# Altium PCB BC2087.PcbDoc (part 6 of 6)
Units mil, origin at the board's own origin, x right, y up, seen from the top; angles counter-clockwise.
Board outline 7401.57 x 1181.1 mil, 6 copper layers (Top Copper, Signal Layer 1, Signal Layer 2, Signal Layer 3, Signal Layer 4, Bottom Copper), stack 62.874 mil thick; 302 components, 237 nets, 1184 pads, 867 vias.
Unrouted connection lines stored in the file: 315.
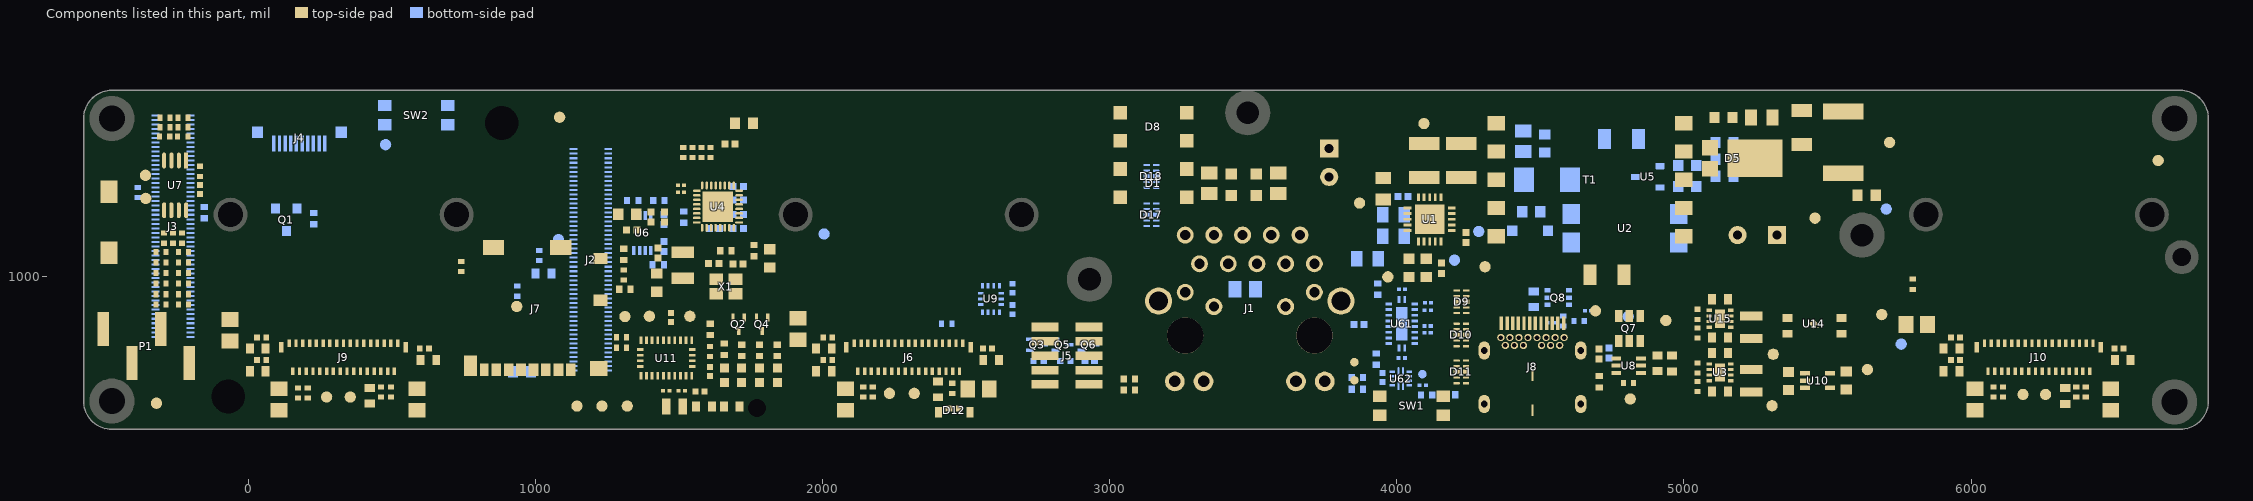
[diagram p10: the components of this part, seen from the top]

## Silkscreen, mask and mechanical layers (free items; w line width, h text height) (continued)
Drill Drawing:
  drawing of 188 lines, arcs and shapes, not listed
  text "Symbol" at 7282.54,3274.22 h72
  text "Count" at 7788.42,3274.22 h72
  text "Hole Size" at 8388.26,3274.22 h72
  text "Plated" at 9537.92,3274.22 h72
  text "Hole Type" at 10043.8,3274.22 h72
  text "Drill Layer Pair" at 10777.6,3274.22 h72
  text "Via/Pad" at 12397.11,3274.22 h72
  text "Pad Shape" at 12986.96,3274.22 h72
  text "Template" at 13732.76,3274.22 h72
  text "Hole Length" at 15082.36,3274.22 h72
  text "Routed Path Length" at 16172.04,3274.22 h72
  text "36" at 7788.42,3124.22 h60
  text "7.95mil (0.202mm)" at 8388.26,3124.22 h60
  text "PTH" at 9537.92,3124.22 h60
  text "Round" at 10043.8,3124.22 h60
  text "Top Copper - Bottom Copper" at 10777.6,3124.22 h60
  text "Via" at 12397.11,3124.22 h60
  text "Rounded" at 12986.96,3124.22 h60
  text "v41h20m0mx0(2)" at 13732.76,3124.22 h60
  text "-" at 15082.36,3124.22 h60
  text "-" at 16172.04,3124.22 h60
  text "201" at 7788.42,2974.22 h60
  text "7.99mil (0.203mm)" at 8388.26,2974.22 h60
  text "PTH" at 9537.92,2974.22 h60
  text "Round" at 10043.8,2974.22 h60
  text "Top Copper - Bottom Copper" at 10777.6,2974.22 h60
  text "Via" at 12397.11,2974.22 h60
  text "Rounded" at 12986.96,2974.22 h60
  text "v41h20m0mx0(1)" at 13732.76,2974.22 h60
  text "-" at 15082.36,2974.22 h60
  text "-" at 16172.04,2974.22 h60
  text "330" at 7788.42,2824.22 h60
  text "8.00mil (0.203mm)" at 8388.26,2824.22 h60
  text "PTH" at 9537.92,2824.22 h60
  text "Round" at 10043.8,2824.22 h60
  text "Top Copper - Bottom Copper" at 10777.6,2824.22 h60
  text "Via" at 12397.11,2824.22 h60
  text "Rounded" at 12986.96,2824.22 h60
  text "(Mixed)" at 13732.76,2824.22 h60
  text "-" at 15082.36,2824.22 h60
  text "-" at 16172.04,2824.22 h60
  text "299" at 7788.42,2674.22 h60
  text "10.00mil (0.254mm)" at 8388.26,2674.22 h60
  text "PTH" at 9537.92,2674.22 h60
  text "Round" at 10043.8,2674.22 h60
  text "Top Copper - Bottom Copper" at 10777.6,2674.22 h60
  text "Via" at 12397.11,2674.22 h60
  text "Rounded" at 12986.96,2674.22 h60
  text "(Mixed)" at 13732.76,2674.22 h60
  text "-" at 15082.36,2674.22 h60
  text "-" at 16172.04,2674.22 h60
  text "1" at 7788.42,2524.22 h60
  text "11.81mil (0.300mm)" at 8388.26,2524.22 h60
  text "PTH" at 9537.92,2524.22 h60
  text "Round" at 10043.8,2524.22 h60
  text "Top Copper - Bottom Copper" at 10777.6,2524.22 h60
  text "Via" at 12397.11,2524.22 h60
  text "Rounded" at 12986.96,2524.22 h60
  text "v50h30m0mx0" at 13732.76,2524.22 h60
  text "-" at 15082.36,2524.22 h60
  text "-" at 16172.04,2524.22 h60
  text "14" at 7788.42,2374.22 h60
  text "15.75mil (0.400mm)" at 8388.26,2374.22 h60
  text "PTH" at 9537.92,2374.22 h60
  text "Round" at 10043.8,2374.22 h60
  text "Top Copper - Bottom Copper" at 10777.6,2374.22 h60
  text "Pad" at 12397.11,2374.22 h60
  text "Rounded" at 12986.96,2374.22 h60
  text "c65h40" at 13732.76,2374.22 h60
  text "-" at 15082.36,2374.22 h60
  text "-" at 16172.04,2374.22 h60
  text "4" at 7788.42,2224.22 h60
  text "23.62mil (0.600mm)" at 8388.26,2224.22 h60
  text "PTH" at 9537.92,2224.22 h60
  text "Slot" at 10043.8,2224.22 h60
  text "Top Copper - Bottom Copper" at 10777.6,2224.22 h60
  text "Pad" at 12397.11,2224.22 h60
  text "Rounded" at 12986.96,2224.22 h60
  text "r100_160h60_120r100" at 13732.76,2224.22 h60
  text "47.24mil (1.200mm)" at 15082.36,2224.22 h60
  text "23.62mil (0.600mm)" at 16172.04,2224.22 h60
  text "4" at 7788.42,2074.22 h60
  text "31.50mil (0.800mm)" at 8388.26,2074.22 h60
  text "PTH" at 9537.92,2074.22 h60
  text "Round" at 10043.8,2074.22 h60
  text "Top Copper - Bottom Copper" at 10777.6,2074.22 h60
  text "Pad" at 12397.11,2074.22 h60
  text "Rounded" at 12986.96,2074.22 h60
  text "(Mixed)" at 13732.76,2074.22 h60
  text "-" at 15082.36,2074.22 h60
  text "-" at 16172.04,2074.22 h60
  text "14" at 7788.42,1924.22 h60
  text "35.43mil (0.900mm)" at 8388.26,1924.22 h60
  text "PTH" at 9537.92,1924.22 h60
  text "Round" at 10043.8,1924.22 h60
  text "Top Copper - Bottom Copper" at 10777.6,1924.22 h60
  text "Pad" at 12397.11,1924.22 h60
  text "Rounded" at 12986.96,1924.22 h60
  text "c150h90" at 13732.76,1924.22 h60
  text "-" at 15082.36,1924.22 h60
  text "-" at 16172.04,1924.22 h60
  text "4" at 7788.42,1774.22 h60
  text "40.16mil (1.020mm)" at 8388.26,1774.22 h60
  text "PTH" at 9537.92,1774.22 h60
  text "Round" at 10043.8,1774.22 h60
  text "Top Copper - Bottom Copper" at 10777.6,1774.22 h60
  text "Pad" at 12397.11,1774.22 h60
  text "Rounded" at 12986.96,1774.22 h60
  text "c175h102" at 13732.76,1774.22 h60
  text "-" at 15082.36,1774.22 h60
  text "-" at 16172.04,1774.22 h60
  text "2" at 7788.42,1624.22 h60
  text "62.99mil (1.600mm)" at 8388.26,1624.22 h60
  text "(Mixed)" at 9537.92,1624.22 h60
  text "Round" at 10043.8,1624.22 h60
  text "Top Copper - Bottom Copper" at 10777.6,1624.22 h60
  text "Pad" at 12397.11,1624.22 h60
  text "Rounded" at 12986.96,1624.22 h60
  text "(Mixed)" at 13732.76,1624.22 h60
  text "-" at 15082.36,1624.22 h60
  text "-" at 16172.04,1624.22 h60
  text "2" at 7788.42,1474.22 h60
  text "66.93mil (1.700mm)" at 8388.26,1474.22 h60
  text "PTH" at 9537.92,1474.22 h60
  text "Round" at 10043.8,1474.22 h60
  text "Top Copper - Bottom Copper" at 10777.6,1474.22 h60
  text "Pad" at 12397.11,1474.22 h60
  text "Rounded" at 12986.96,1474.22 h60
  text "c240h170" at 13732.76,1474.22 h60
  text "-" at 15082.36,1474.22 h60
  text "-" at 16172.04,1474.22 h60
  text "3" at 7788.42,1324.22 h60
  text "78.74mil (2.000mm)" at 8388.26,1324.22 h60
  text "PTH" at 9537.92,1324.22 h60
  text "Round" at 10043.8,1324.22 h60
  text "Top Copper - Bottom Copper" at 10777.6,1324.22 h60
  text "Pad" at 12397.11,1324.22 h60
  text "Rounded" at 12986.96,1324.22 h60
  text "c400h200z250" at 13732.76,1324.22 h60
  text "-" at 15082.36,1324.22 h60
  text "-" at 16172.04,1324.22 h60
  text "6" at 7788.42,1174.22 h60
  text "86.61mil (2.200mm)" at 8388.26,1174.22 h60
  text "PTH" at 9537.92,1174.22 h60
  text "Round" at 10043.8,1174.22 h60
  text "Top Copper - Bottom Copper" at 10777.6,1174.22 h60
  text "Pad" at 12397.11,1174.22 h60
  text "Rounded" at 12986.96,1174.22 h60
  text "c300h220" at 13732.76,1174.22 h60
  text "-" at 15082.36,1174.22 h60
  text "-" at 16172.04,1174.22 h60
  text "A" at 7253.45,1164.23 h66.67
  text "4" at 7788.42,1024.22 h60
  text "90.55mil (2.300mm)" at 8388.26,1024.22 h60
  text "PTH" at 9537.92,1024.22 h60
  text "Round" at 10043.8,1024.22 h60
  text "Top Copper - Bottom Copper" at 10777.6,1024.22 h60
  text "Pad" at 12397.11,1024.22 h60
  text "Rounded" at 12986.96,1024.22 h60
  text "c400h230z250" at 13732.76,1024.22 h60
  text "-" at 15082.36,1024.22 h60
  text "-" at 16172.04,1024.22 h60
  text "B" at 7253.45,1014.23 h66.67
  text "2" at 7788.42,874.22 h60
  text "118.11mil (3.000mm)" at 8388.26,874.22 h60
  text "PTH" at 9537.92,874.22 h60
  text "Round" at 10043.8,874.22 h60
  text "Top Copper - Bottom Copper" at 10777.6,874.22 h60
  text "Pad" at 12397.11,874.22 h60
  text "Rounded" at 12986.96,874.22 h60
  text "c270h300x530m275mx535" at 13732.76,874.22 h60
  text "-" at 15082.36,874.22 h60
  text "-" at 16172.04,874.22 h60
  text "2" at 7788.42,724.22 h60
  text "125.98mil (3.200mm)" at 8388.26,724.22 h60
  text "PTH" at 9537.92,724.22 h60
  text "Round" at 10043.8,724.22 h60
  text "Top Copper - Bottom Copper" at 10777.6,724.22 h60
  text "Pad" at 12397.11,724.22 h60
  text "Rounded" at 12986.96,724.22 h60
  text "c320h320(Tol0-0)" at 13732.76,724.22 h60
  text "-" at 15082.36,724.22 h60
  text "-" at 16172.04,724.22 h60
  text "928 Total" at 7788.42,574.22 h60
  text "Slot definitions :" at 7282.54,429.24 h60
  text "Routed Path Length" at 8315.23,429.24 h60
  text "= Calculated from tool start centre position to tool end centre position." at 9417.9,429.24 h60
  text "Hole Length" at 8315.23,329.27 h60
  text "= Routed Path Length + Tool Size = Slot length as defined in the PCB layout" at 9008.03,329.27 h60

## Text inside footprints (layer, text, board x,y; h text height)
J2: Bottom Assembly "CONNECTOR A" at 1346.53,1082.69 h60 r270
J3: Bottom Assembly "BW2099 Module / <1mm clearance" at 338.98,1448.82 h78.74 r90; Bottom Assembly "CONNECTOR B" at -338.46,1374.02 h60 r90
J4: Bottom Overlay "1" at 53.36,1449.35 h39.37 r180; Bottom Overlay "10" at 282.93,1449.35 h39.37 r180; Assembly Notes "Top contact ffc" at 68.37,1630.45 h39.37 r180
J5: Top Overlay "9" at 2717.52,591.54 h39.37 r270; Top Overlay "1" at 2716.38,872.52 h39.37 r270
J6: Top Courtyard "IMX378" at 2239.53,1293.74 h39.37; Top Courtyard "OV9282/IMX214" at 2165.71,1250.89 h39.37
J8: Top Assembly "PCB Edge" at 4405.51,384.15 h24
J9: Top Courtyard "OV9282/IMX214" at 197.2,1250.89 h39.37; Top Courtyard "IMX378" at 271.02,1293.74 h39.37
J10: Top Courtyard "OV9282/IMX214" at 6102.71,1250.89 h39.37; Top Courtyard "IMX378" at 6176.53,1293.74 h39.37
P1: Top Overlay "1" at -557.22,825.93 h40; Top Overlay "4" at -171.39,648.76 h40
U61: Assembly Notes "Based on 0.125 thick stencil" at 4021.51,939.27 h19.68 r90